# Altium PCB MB_PCB.PcbDoc (part 3 of 4)
Units mm, origin at the board's own origin, x right, y up, seen from the top; angles counter-clockwise.
Board outline 140 x 163 mm, 2 copper layers (Top Layer, Bottom Layer); 363 components, 293 nets, 1486 pads, 1369 vias.
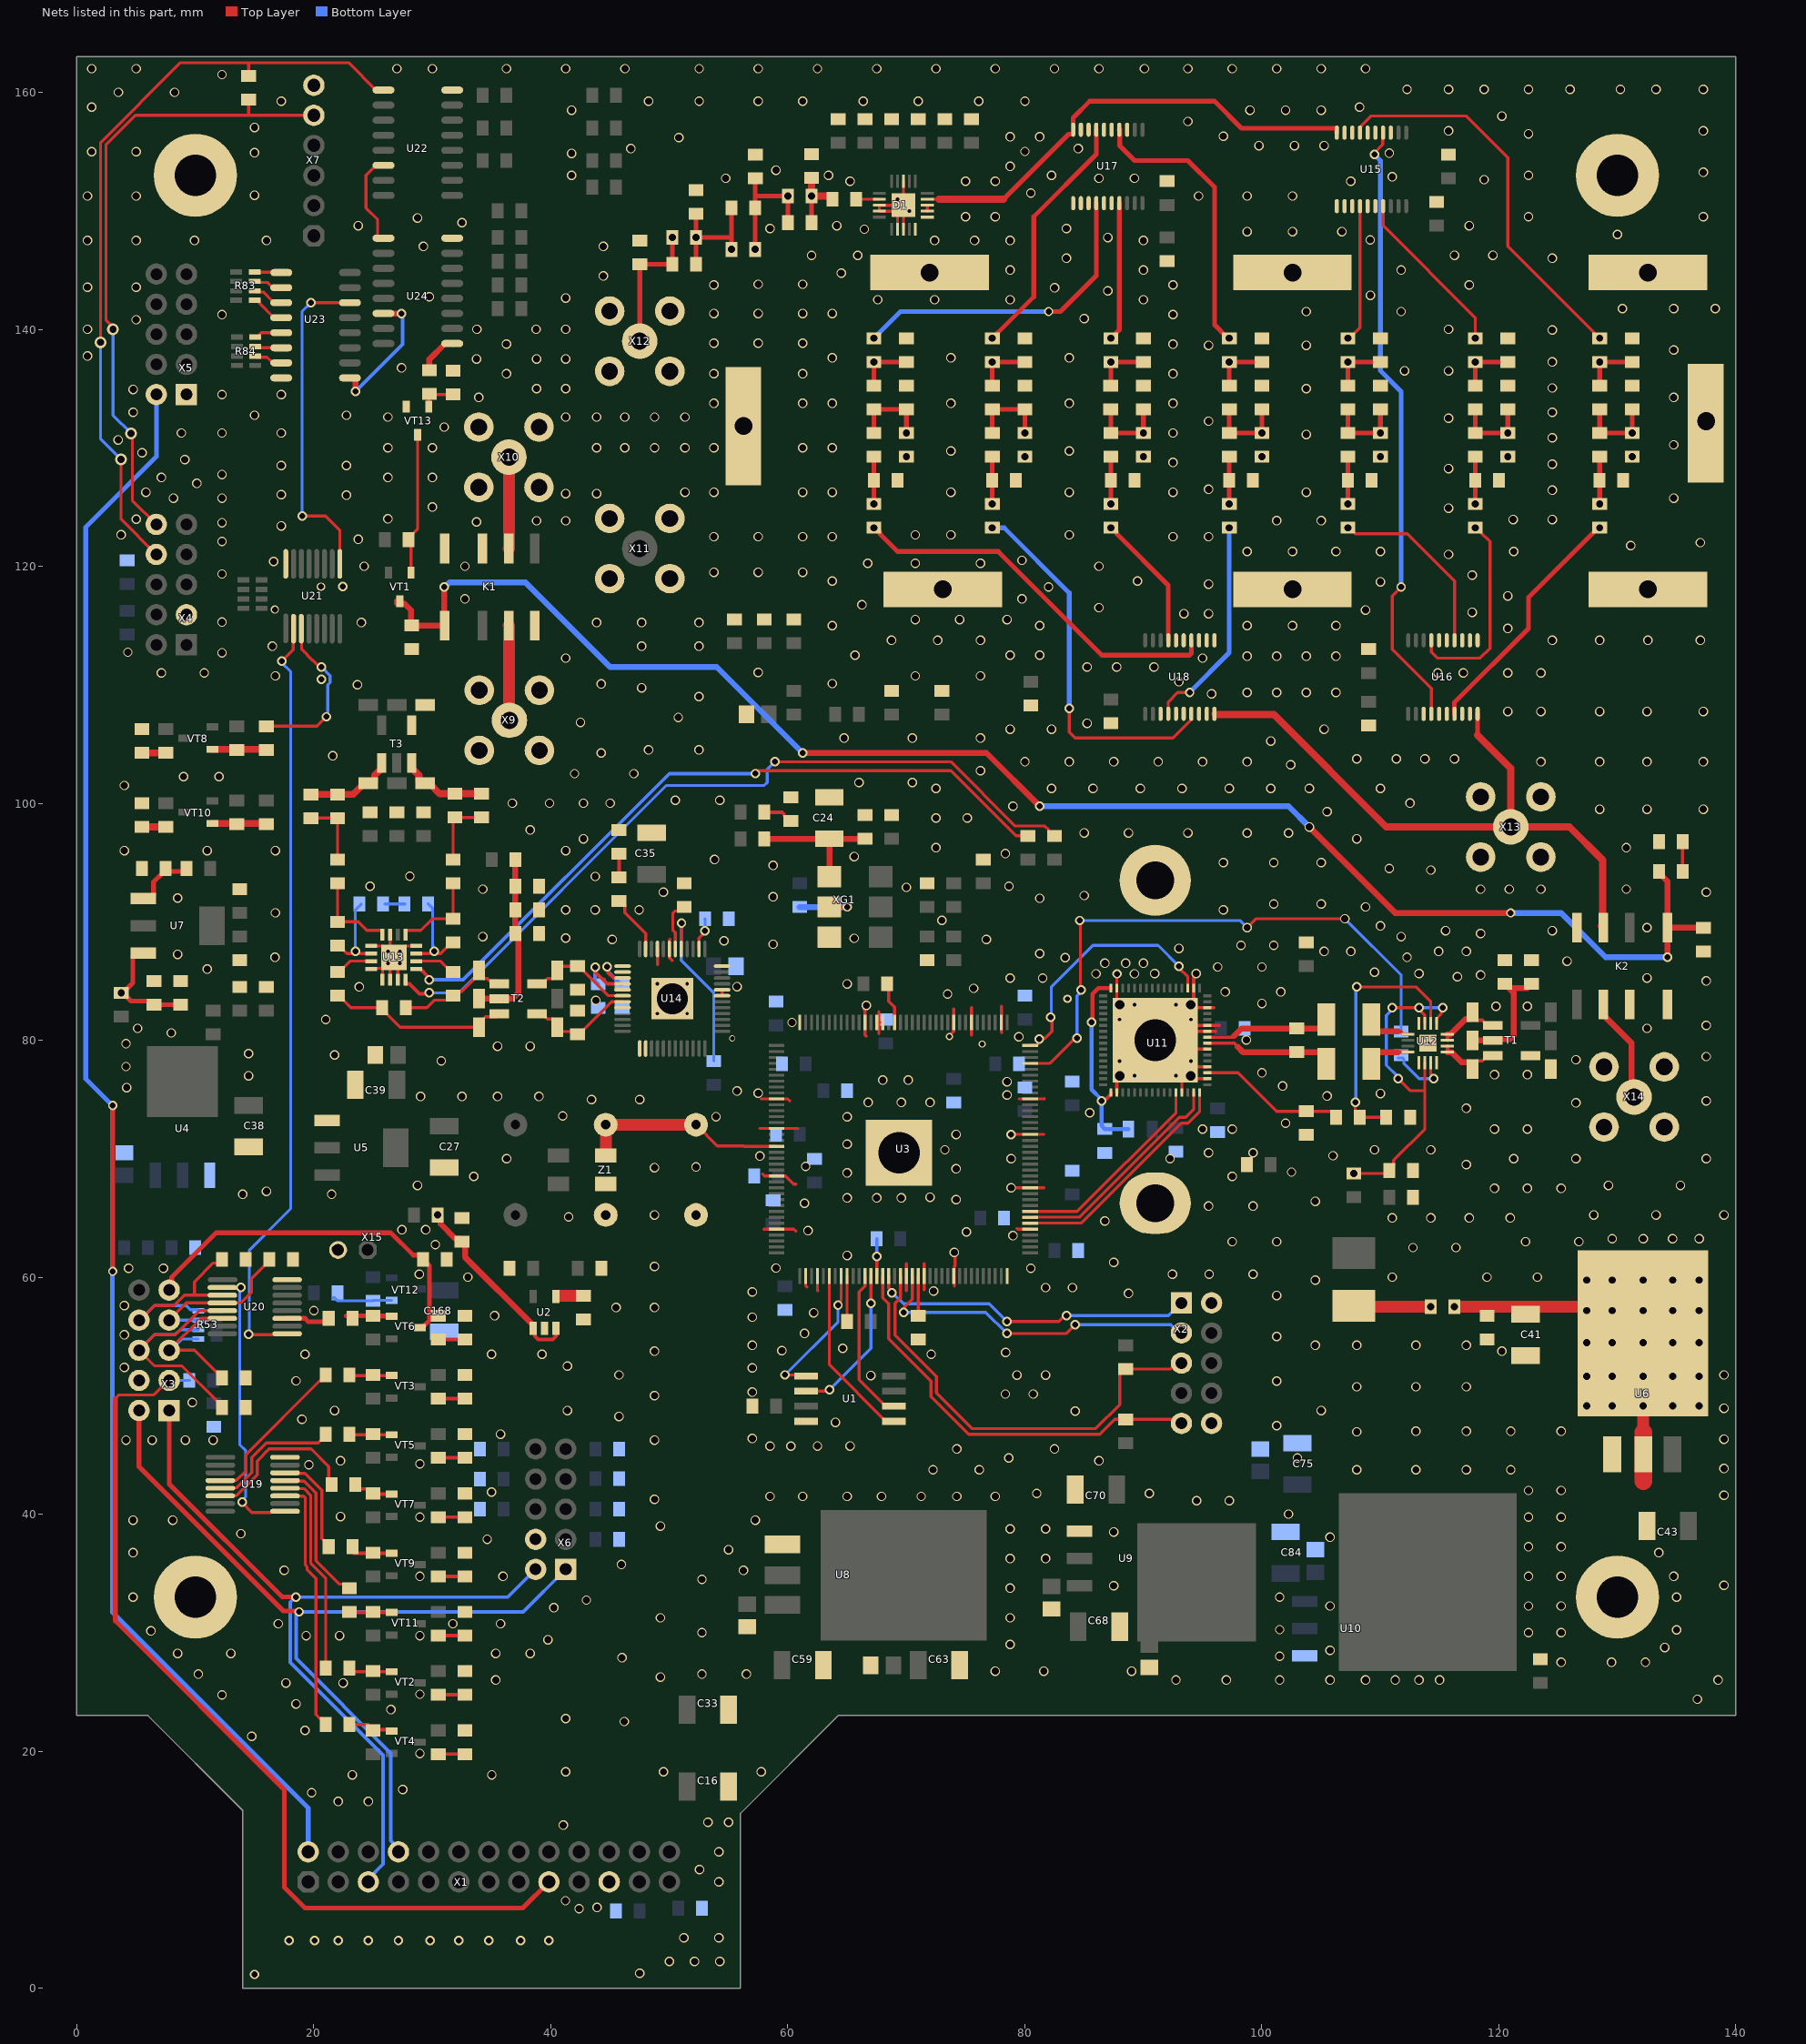
[diagram p3: the nets of this part, all layers, seen from the top]

## Via types
v1: diameter 0.8, hole 0.6, Top Layer to Bottom Layer, tented both sides, 1132 vias
v2: diameter 0.8, hole 0.5, Top Layer to Bottom Layer, tented both sides, 211 vias
v3: diameter 2, hole 1.5, Top Layer to Bottom Layer, tented both sides, 8 vias
v4: diameter 1, hole 0.6, Top Layer to Bottom Layer, tented both sides, 6 vias
v5: diameter 0.7, hole 0.5, Top Layer to Bottom Layer, tented both sides, 2 vias
v6: diameter 1.2, hole 0.8, Top Layer to Bottom Layer, tented both sides, 2 vias
v7: diameter 0.6, hole 0.4, Top Layer to Bottom Layer, tented both sides, 2 vias
v8: diameter 1, hole 0.5, Top Layer to Bottom Layer, tented both sides, 1 vias
v9: diameter 0.7, hole 0.4, Top Layer to Bottom Layer, tented both sides, 1 vias
v10: diameter 0.5, hole 0.4, Top Layer to Bottom Layer, tented both sides, 1 vias
v11: diameter 1.5, hole 1, Top Layer to Bottom Layer, tented both sides, 1 vias
v12: diameter 1.2, hole 0.9, Top Layer to Bottom Layer, tented both sides, 1 vias
v13: diameter 1.8, hole 1.2, Top Layer to Bottom Layer, tented both sides, 1 vias

## Nets (pads, with @x,y where several pads share a name; then routed paths per layer and width w, separated by ;. In a path a pad name is that pad's centre, name@x,y a point inside that pad or via, vN(x,y) a via of type N, cw(c..) or ccw(c..) an arc to the next point about the centre after c; other vN are vias at no path point) (continued)
GND: C1.2 C2.2 C3.2 C4.2 C5.2 C6.2 C9.2 C12.2 C15.2 C16.2 C17.2 C18.2 C19.2 C20.2 C21.2 C22.2 C23.2 C24.2 C25.2 C26.2 C27.2 C28.2 C29.2 C30.2 C31.2 C32.2 C33.2 C34.1 C35.2 C36.1 C37.1 C38.2 C39.2 C40.1 C41.2 C42.2 C43.2 C44.2 C45.2 C46.2 C47.2 C48.2 C49.2 C50.1 C51.2 C52.2 C53.2 C54.2 C55.2 C56.2 C57.2 C58.2 C59.2 C60.2 C61.2 C62.1 C63.2 C64.1 C65.2 C66.2 C67.2 C68.2 C69.1 C70.2 C71.2 C72.2 C73.1 C74.1 C75.2 C76.2 C77.2 C78.2 C79.2 C80.2 C81.2 C82.2 C83.2 C84.2 C85.2 C86.2 C87.2 C88.2 C89.1 C90.1 C91.2 C93.2 C94.1 C95.1 C96.1 C97.1 C98.1 C99.1 C104.2 C106.2 C108.2 C109.1 C110.1 C111.1 C115.1 C116.1 C117.1 C118.2 C119.1 C120.2 C121.2 C122.2 C123.2 C124.2 C125.1 C126.2 C127.1 C128.2 C129.2 C130.2 C133.1 C134.1 C135.1 C138.1 C139.1 C140.1 C143.1 C144.1 C145.1 C148.1 C149.1 C150.1 C155.1 C156.1 C157.1 C158.1 C159.1 C160.1 C163.1 C164.1 C165.1 C166.1 C167.1 C168.2 C169.2 C170.2 C171.2 C173.1 C174.1 D1.3 D1.4 D1.7 D1.8 D1.10 D1.11 D1.12 D1.13 D1.18 D1.21 K1.4 K1.7 K1.8 K2.4 K2.7 K2.8 L9.1 L12.1 L15.1 L18.1 L23.1 L24.1 L27.1 pad.2 pad.3 pad.4 pad.5 pad.6 pad.7 pad.8 R9.2 R11.2 R12.2 R15.1 R18.2 R21.1 R24.1 R31.1 R33.1 R88.2 T1.4 T1.11 T3.4 T3.11 U1.4 U2.2 U3.2 U3.4 U3.19 U3.22 U3.27 U3.36 U3.41 U3.48 U3.57 U3.63 U3.74 U3.79 U3.82 U3.94 U3.95 U3.97 U3.108 U3.118 U3.123 U3.131 U3.140 U3.145 U4.1 U5.1 U6.1 U8.1 U9.1 U10.1 U11.0@88,77 U11.0@88,78.25 U11.0@88,81.75 U11.0@88,83 U11.0@89.25,77 U11.0@89.25,83 U11.0@91,80 U11.0@92.75,77 U11.0@92.75,83 U11.0@94,77 U11.0@94,78.25 U11.0@94,81.75 U11.0@94,83 U11.2 U11.4 U11.7 U11.10 U11.11 U11.14 U11.18 U11.31 U11.50 U11.61 U11.65 U12.4 U12.9 U12.12 U12.17 U13.1 U13.4 U13.5 U13.6 U13.7 U13.12 U13.15 U13.17 U14.1@47.5,79.3 U14.2 U14.19 U14.20 U14.24 U14.31 U14.33 U14.37 U14.38 U14.41 U14.44 U14.49 U15.3 U15.5 U15.6 U15.8 U15.9 U15.11 U15.12 U15.13 U15.15 U15.16 U16.3 U16.5 U16.6 U16.8 U16.9 U16.11 U16.12 U16.13 U16.15 U16.16 U17.3 U17.5 U17.6 U17.8 U17.9 U17.11 U17.12 U17.13 U17.15 U17.16 U18.3 U18.5 U18.6 U18.8 U18.9 U18.11 U18.12 U18.13 U18.15 U18.16 U19.16 U20.16 U21.16 U22.8 U23.8 U24.8 VD1.2 VD2.2 VD3.2 VD4.2 VD5.2 VD6.2 VD7.2 VD8.2 VD9.2 VD10.2 VD11.2 VT13.2 X1.21 X2.2 X2.10 X3.4 X4.3 X5.1 X6.4 X7.6 X9.2 X10.2 X11.2 X12.2 X13.2 X14.2 X15.2 XG1.3 Z1.2 | length 96.4
  Top Layer w0.254: U13.4@24.85,86.025 24.898,86.073 25.702,86.073 26.129,86.5 U13.17@26.25,86.5 ; U13.1@24.85,87.975 24.877,87.948 25.802,87.948 U13.17@26.25,87.5 U13.17@26.425,87.325 ; U13.5@25.775,85.1 25.802,85.127 U13.17@25.802,86.052 ; U13.6@26.425,85.1 26.425,86.675 U13.17@26.75,87 ; U13.15@26.425,88.9 U13.17@26.425,87.325 ; U13.7@27.075,85.1 27.075,86.675 U13.17@26.75,87 ; U13.12@28.65,87.975 28.623,87.948 27.698,87.948 U13.17@27.25,87.5 U13.17@26.75,87 ; 49,86.383 U14.33@49,87.7 ; 50.046,88.522 50.046,88.48 50.009,88.443 50.009,87.709 U14.31@50,87.7 50.009,87.691 50.009,86.967 50.259,86.716 ; U14.19@54.45,83.75 U14.20@54.45,84.25 ; 57.638,72.55 U3.123@59.05,72.55 60.828,72.55 60.836,72.559 ; 57.75,75.05 U3.118@59.05,75.05 59.994,75.05 60.16,74.883 ; 57.853,68.723 58.026,68.55 U3.131@59.05,68.55 59.802,68.55 60.494,67.858 60.667,67.858 ; 57.995,64.05 U3.140@59.05,64.05 60.5,64.05 60.667,63.883 ; U3.2@61.5,60.1 61.5,59.278 61.598,59.18 ; U3.4@62.5,60.1 62.5,58.886 62.509,58.878 ; v1@66.411,82.623 66.516,82.518 66.516,80.45 66.62,80.346 ; U3.95@67.5,81.5 67.675,81.5 ; 67.675,80.543 67.675,81.5 ; 67.675,82.392 67.675,81.5 ; U3.94@68,81.5 67.675,81.5 ; D1.7@69.25,148.45 69.25,149.975 D1.4@67.725,149.975 D1.3@67.725,150.475 D1.21@69.75,150.475 ; D1.8@69.75,148.45 D1.21@69.75,150.475 ; D1.18@69.75,152.5 D1.21@69.75,150.475 ; 70,58.878 U3.19@70,60.1 70,61.15 ; 71.5,58.945 U3.22@71.5,60.1 71.5,61.15 ; D1.12@71.775,149.975 D1.13@71.775,150.475 ; v7(73.64,80.321) 73.64,80.39 74.004,80.754 74.004,82.628 ; 74.046,59.248 74.046,60.896 74.11,60.96 v1@74.11,61.735 ; 75.5,80.431 U3.79@75.5,81.5 75.5,82.745 ; 78.019,82.869 78.019,80.675 78.046,80.648 ; v2(78.84,72.05) U3.57@80.45,72.05 81.619,72.05 ; 79.34,64.109 79.399,64.05 U3.41@80.45,64.05 ; 79.34,67.55 U3.48@80.45,67.55 81.619,67.55 ; 79.5,75.05 U3.63@80.45,75.05 81.622,75.05 81.631,75.059 ; v2(87.762,85.606) 87.752,85.596 87.752,84.402 U11.31@87.75,84.4 87.752,84.398 87.752,83.45 88,83.202 U11.0@88,83 ; U11.65@91,80 91.028,80.028 93.885,80.028 94.607,80.75 94.609,80.748 96.112,80.748 ; U11.65@91.748,80.748 93.032,80.748 93.534,81.25 U11.11@95.4,81.25 96.426,81.25 ; U11.61@93.25,75.6 93.25,76.379 ; U11.0@94,77 94.095,76.905 94.259,76.905 94.414,76.75 U11.2@95.4,76.75 ; U11.0@94,78.25 94.121,78.25 94.619,77.752 95.398,77.752 U11.4@95.4,77.75 ; U11.0@94,83 94.202,83 94.452,82.75 U11.14@95.4,82.75 95.95,82.75 ; U11.65@94.25,79.252 95.398,79.252 U11.7@95.4,79.25 ; U13.17@26.425,87.325 U13.17@26.75,87
  Top Layer w0.3: U11.50@87.75,75.6 87.75,76.561 88,76.811 U11.0@88,77 ; U11.65@91,80 U11.0@94,77 94.189,77 U11.65@94.414,76.775 ; U11.0@94,83 94,83.189 94.25,83.439 U11.18@94.25,84.4 v1@94.25,85.421
  other v1: 47.5,1.25 50,2.25 52.123,2.25 54.25,2.25 51.222,4.25 54.173,4.25 42.38,6.7 43.895,6.804 41.231,7.374 54.173,8.96 52.55,10 54.173,11.5 41.05,13.75 53.25,14 55,14 22.06,15.75 24.6,15.75 19.808,16.486 27.5,16.763 23.25,18 35.012,18 41.25,18.25 49.5,18.25 57.75,18.25 28.95,19.8 14.75,21.25 19.25,21.75 46.195,22.5 41.25,22.75 26.5,23.5 18.5,23.99 136.75,24.381 12.25,24.75 28.95,24.8 17.643,25.75 22.471,25.75 35.35,26 92.75,26 97,26 101.5,26 105.75,26 108.75,26 111.25,26 113.25,26 115,26 138.5,26 49.25,26.25 10.25,26.5 52.75,26.5 56.5,26.5 77.5,26.75 81.6,26.75 89,26.75 125.25,27.5 129.5,27.5 132.363,27.5 45.995,27.882 101.5,28 8.5,28.25 13,28.25 35.35,28.25 38.25,28.25 105.75,28.5 134,28.75 78.75,29 39.75,29.398 19.35,29.75 22.172,29.75 28.95,29.75 52.75,30 122.5,30 125.25,30 6.25,30.143 135,30.233 101.5,30.25 17,30.75 31.725,30.75 35.75,30.75 49.25,31.25 78.75,31.25 40.25,32.107 105.75,32.25 122.5,32.25 125.25,32.25 43,32.75 4.75,33 101.5,33 135,33 78.75,33.75 87.5,33.95 139,34 52.75,34.5 28.95,34.75 35.964,34.75 122.5,34.75 125.25,34.75 134.75,34.75 17.5,35.264 56.25,35.25 45.95,35.75 78.75,36.25 81.75,36.25 4.75,36.75 133.5,36.75 55,37 122.5,37.25 125.25,37.25 34.627,37.88 105.75,38.05 13.843,38.352 87.5,38.5 78.75,38.75 81.75,38.75 49.25,39 4.75,39.5 8.099,39.5 57.25,39.5 28.95,39.75 122.5,39.75 125.25,39.75 22.25,39.8 102.25,40 94.5,41.139 97.25,41.139 48.75,41.245 58.5,41.5 61.25,41.5 65,41.5 67.901,41.5 71.25,41.5 74.25,41.5 77.5,41.5 139,41.6 81,41.75 90.5,41.75 35,41.86 122.5,42 125.25,42 72.25,43.75 76.16,43.75 108,43.75 113,43.75 117.25,43.75 121,43.75 139,43.845 19.58,44.17 28.95,44.246 22.25,44.5 86.25,44.5 78.64,44.75 103,44.75 74.25,45.5 82.5,45.5 58.5,45.736 60.25,45.736 62.5,45.75 65.25,45.75 4.15,46.25 6.35,46.25 9.165,46.25 11.5,46.25 48.75,46.252 139,46.325 57,46.381 35.75,46.75 108,46.95 113,47 117.25,47 121,47 125.25,47 101.25,47.47 64.009,47.75 19,48 45.75,48.25 84.25,48.7 21.75,48.75 41.395,48.75 105,48.75 139,48.94 9.75,49.425 48.75,50 78.352,50.14 80.7,50.14 57,50.299 108,50.75 113,50.75 117.25,50.75 101.25,51.235 18.5,51.25 67,51.705 45.75,51.75 79.327,51.744 81.75,51.744 139,51.75 57,52.35 4,52.39 41.395,52.5 19.25,53.5 35,53.5 39.25,53.5 72.095,53.497 78.381,53.645 48.75,53.75 120.25,53.75 59.5,53.803 64.635,54 57,54.25 104.5,54.25 108,54.25 113,54.25 117.25,54.25 101.25,55 4,55.136 61.409,55.25 57,56.623 35.25,56.75 62.183,57 20,57.175 45.5,57.436 48.75,57.436 4,57.597 101.25,58.461 88.75,58.63 57,58.75 72.295,58.837 81.75,59.118 84.011,59.118 104.5,59.75 33,60 111,60 119,60 123.25,60 28.9,60.25 92.446,60.25 95.55,60.25 99.25,60.25 4.37,60.75 7.3,60.75 80.5,60.75 59,60.77 48.75,60.912 87.5,61.25 65,61.84 74.046,62.091 21.8,62.375 112.75,62.5 116.369,62.5 30.25,62.75 97.5,63 101.25,63 122.25,63 126.75,63 129.56,63.25 132.175,63.25 134.655,63.25 136.9,63.25 79,63.5 75.063,63.828 61.699,63.923 27.437,64 29.438,64 86.75,64.75 111,65 114.25,65 117.5,65 120.951,65 41.5,65.092 48.75,65.25 128,65.25 133.25,65.25 139,65.25 95.5,66 99.25,66 61.4,66.236 104.5,66.41 74.2,66.55 65,66.694 67.5,66.694 69.573,66.694 72,66.75 14,67 21.5,67 16,67.25 119.63,67.5 122.404,67.5 125.25,67.5 78.84,67.55 28.75,67.75 129.25,67.75 135.322,67.75 33.5,68.5 97.5,68.5 65,68.8 102.5,68.869 74.2,69.144 48.75,69.25 52.25,69.302 61.498,69.357 117.25,69.5 36.273,70 78.84,70 92.25,70 121.25,70 126.5,69.996 137.5,70 57.638,70.223 106,70.25 95.5,70.5 99.25,70.5 73.248,70.75 109.5,70.75 114.25,70.75 65,71.225 74.2,72.05 95,72.5 97.5,72.5 119.63,72.5 122.404,72.5 102,73 65,73.531 53.937,73.55 41,73.607 85.475,73.883 117.25,74.25 126.5,74.71 66.775,74.75 69.573,74.75 72,74.75 137.5,74.877 43.43,75 47.5,75 29,75.25 32.5,75.25 35.5,75.25 39,75.25 105.5,75.287 78.5,75.377 110,75.5 57.502,75.527 55.715,75.71 4.2,76 101.75,76.131 78.5,76.5 68,76.631 70.159,76.631 14.5,77 119.63,77.09 122.404,77.09 100,77.25 4.152,77.775 30.75,78.25 126.5,78.352 137.5,78.622 21.75,78.75 14.5,78.875 35.5,79.5 38.25,79.5 4.152,79.7 98.69,80.028 79.5,80.291 7.975,80.619 5.133,81 132.5,81 137.5,81.25 60.35,81.5 21,81.75 119.75,82.869 122.4,82.869 66.63,82.941 100,83.107 43.8,83.362 73.479,83.904 96.901,84.083 101.602,84.083 75.676,84.377 23.833,84.5 55.715,84.523 65,84.757 137.5,85 78.75,85.236 81.5,85.236 132.5,85.25 116.5,85.362 118.46,85.5 86,85.606 89.25,85.606 90.949,85.621 94.45,85.621 113.25,85.628 109.5,85.736 11,86 96.274,86.184 100,86.184 86.75,86.5 88.5,86.5 90,86.5 125.75,86.676 83.395,86.977 16.718,87 112.25,87 8.5,87.25 81.25,87.31 105.25,87.5 107.509,87.5 114.91,87.5 117.25,87.5 93,87.75 98.239,88 101,88 58.75,88.1 54.611,88.387 45.175,88.5 76.75,88.5 65.6,88.602 41.25,88.619 34.25,88.75 111.75,88.75 118.46,89 115.5,89.25 124.5,89.25 132.5,89.5 110,89.65 73,90.119 16.75,90.75 41.25,91 43.731,91 47.453,91 96.75,91 108.75,91.25 101,91.5 105,91.5 81.25,91.977 8.5,92 58.75,92.1 85,92.213 49.491,92.5 137.5,92.5 34.25,92.75 118.46,92.75 120.881,92.75 123.54,92.75 130.75,92.75 70,92.9 24.75,93 78.66,93 43.75,93.824 28.1,93.842 114.25,94.358 110.75,94.5 58.75,94.75 96.75,95 101,95 105,95 53.812,95.25 65.6,95.5 78.349,95.75 4,96 11,96 16.75,96 41.25,96 72.5,96.25 130.75,96.25 42.75,97 108,97 98.75,97.491 102.25,97.491 85,97.5 88.75,97.5 93.75,97.5 38.25,97.75 72.5,98.75 75.133,98.75 105.5,99.291 128.5,99.5 132.5,99.5 137.25,99.5 79,99.75 36.75,100 39.885,100 42.75,100 45,100 112.5,100.008 50.5,100.25 54.25,100.25 72.5,101.25 82.25,101.25 85.75,101.25 89.75,101.25 93.25,101.25 97.25,101.25 100.75,101.25 104,101.25 110,101.25 4,101.5 66,101.75 70.5,101.75 9,102.25 12,102.25 42,102.5 47,102.5 76.25,102.75 102.426,103.25 80,103.5 83.75,103.5 87.5,103.5 91.25,103.5 95,103.5 98.75,103.5 123.54,103.5 128.5,103.5 132.5,103.5 137.25,103.5 108,103.75 111.35,103.75 113.75,103.75 116.25,103.75 21.59,104 44.25,104.25 48.25,104.5 52.5,104.5 100.75,105.25 64.75,105.5 70.5,105.5 76.25,105.5 78.75,106.25 82.25,106.25 105.25,106.25 85.25,106.75 42.5,106.833 50.75,107.25 120.75,107.75 123.54,107.75 128.5,107.75 132.5,107.75 137.25,107.75 52.5,109 95.75,109.231 98.75,109.35 101.25,109.35 103.75,109.35 106.25,109.35 47.667,109.75 23.681,110 44.25,110.072 63.75,110.1 93,110.25 16.75,110.75 70.75,110.75 76.25,110.75 7.135,111 10.75,111 114.84,111 117,111 120.75,111 123.54,111 57.5,111.041 85.25,111.5 87.75,111.5 90.897,111.5 41.25,112.25 95,112.25 98.75,112.41 101.25,112.41 103.75,112.41 106.25,112.41 65.66,112.5 78.75,112.5 81.25,112.5 12.25,112.705 4.299,112.75 16.5,113.25 47.667,113.25 52.5,113.25 68.75,113.75 72.643,113.75 76.25,113.75 124.5,113.75 128.5,113.75 132.578,113.75 137,113.75 120.75,114.75 63.75,115 81.25,115 98.75,115 102.578,115 106.25,115 24,115.25 43.858,115.25 47.667,115.25 52.5,115.25 12.25,115.289 70.75,115.5 74.5,115.5 78.5,115.5 93.417,116 95.5,116 117.75,116.119 108.75,116.313 86.25,116.511 66.25,116.75 32.75,117.25 79.75,117.25 120.75,117.5 82,118.25 95.5,118.5 110,118.691 63.75,118.75 89.5,118.75 117.75,119.25 12.25,119.351 53.75,119.5 57.5,119.5 61.25,119.5 24.25,120 32.75,120 86.25,120 66.741,120.25 70.75,120.25 76.25,120.25 16.605,120.4 79.75,120.5 115.75,121 98.75,121.25 102.578,121.25 106.25,121.25 110,121.25 121.25,121.25 131.127,121.75 137,122 12.25,122.1 23.75,122.273 53.75,122.5 57.5,122.5 61.25,122.5 63.75,122.5 92.5,122.5 95.5,122.5 3.731,122.66 70.75,122.65 73.75,122.65 83.75,122.65 17.247,123.409 12.25,123.685 33.72,123.75 38.8,123.84 41.25,123.84 101.25,123.85 105,123.85 121.197,123.95 124.5,123.95 5.019,123.979 26.25,124 115.75,124.91 30,125 8.15,125.75 12.25,125.75 134.75,125.75 22.75,126 17.247,126.05 41.25,126.138 43.858,126.138 5.83,126.25 51.323,126.25 53.75,126.25 61.25,126.25 63.75,126.25 73.75,126.25 83.75,126.25 92.5,126.25 103.75,126.25 124.5,126.425 95.5,126.5 10.13,127 7.135,127.5 26.25,127.5 30,127.5 12.25,127.75 115.75,128.25 17.25,128.5 22.75,128.5 124.5,128.623 92.5,128.762 9.105,129 70,129.25 80,129.25 90,129.25 100,129.25 110,129.25 120.75,129.25 131.25,129.25 5.5,129.579 73.75,129.738 83.75,129.738 26.25,130 30,130 43.858,130 46.243,130 48.757,130 51.323,130 53.75,130 61.25,130 63.75,130 134.75,130.25 3.485,130.664 124.5,130.842 103.75,131.131 8.825,131.25 12.25,131.25 17.25,131.25 92.5,131.25 31,131.75 95.5,132.25 115.75,132.5 26.25,132.595 41.25,132.595 43.858,132.595 46.243,132.595 48.757,132.595 51.323,132.595 14.991,132.75 22.75,132.75 4.756,133 124.5,133 53.75,133.75 61.25,133.75 63.75,133.75 73.75,133.75 83.75,133.75 92.5,133.75 33.92,134.25 134.75,134.25 12.25,134.5 17.25,134.5 4.756,134.925 38.8,135 41.25,135 103.75,135 124.5,135.05 36.25,136.25 61.25,136.25 92.5,136.25 53.75,136.26 112.038,136.5 115.75,136.5 27.4,136.75 124.5,137.25 33.72,137.5 38.8,137.5 41.25,137.5 63.75,137.59 73.75,137.59 83.75,137.59 0.894,137.75 134.75,138.25 95.5,138.65 103.75,138.65 92.5,138.741 36.25,138.75 53.75,138.833 57.502,138.833 61.25,138.833 124.5,139.95 0.894,140.005 33.75,140 38.75,140 41.25,140 115.75,140 5,140.807 85,140.9 12.25,141.24 92.5,141.25 53.75,141.34 57.502,141.34 61.25,141.34 63.75,141.34 103.75,141.5 111.75,141.5 130.425,141.75 134.75,141.75 138.25,141.75 67.59,142.5 72.386,142.5 78.75,142.5 90,142.5 41.25,142.642 29.75,142.75 109.163,142.877 87,143.25 82.509,143.5 0.894,143.56 5,143.56 53.75,143.75 92.5,143.75 117.5,143.75 57.502,143.801 61.25,143.801 44.428,144.5 64.5,144.75 78.75,145 90,145 111.75,145 83.5,146 124.5,146 62,146.241 65.9,146.241 116.25,146.25 119.5,146.25 29.25,147 44.428,147 0.894,147.5 5,147.5 9.925,147.5 16,147.5 72.386,147.5 75.75,147.5 78.75,147.5 90,147.5 109.137,147.549 87,147.75 130,148 98.75,148.25 102.578,148.25 106.75,148.25 66.45,148.45 58.5,148.5 83.5,148.5 23.75,148.75 64.131,148.75 117.5,148.75 32.5,149 28.75,149.4 74.991,149.5 77.5,149.5 122.5,149.5 137.25,149.5 0.894,151.25 5,151.25 94.658,151.25 98.75,151.25 102.578,151.25 15,151.32 80.5,151.5 65.25,152.5 74.991,152.5 77.5,152.5 107.5,152.5 118.75,152.631 54.75,152.75 86.25,152.75 89.25,152.75 111,152.869 41.75,153 63.425,153 82.25,153 122.5,153 137.25,153.25 59,153.433 78.75,153.75 41.75,154.85 110.75,154.869 15,154.901 1.25,155 5,155 80,155.011 46.75,155.25 84.5,155.25 99.75,155.5 102.75,155.5 105.25,155.5 50.796,156.177 78.75,156.25 81.25,156.25 96.75,156.296 122.5,156.5 115.75,156.75 137.25,156.75 15,157.035 93.75,157.546 120.25,158 41.75,158.5 99,158.5 102,158.5 105,158.5 1.25,158.75 108.25,158.75 17.25,159.25 48.25,159.25 52.514,159.25 57.5,159.25 61.25,159.25 66.352,159.25 71,159.25 76.1,159.25 80,159.25 3.5,160 8.25,160 112.25,160.25 115.75,160.25 118.75,160.25 122.5,160.25 126,160.25 130.25,160.25 133.25,160.25 137.25,160.25 12.25,161.5 1.25,162 5,162 27.01,162 30,162 36.25,162 41.25,162 46.25,162 52.514,162 57.5,162 62.5,162 67.5,162 72.5,162 77.5,162 82.5,162 86.25,162 90.093,162 93.75,162 97.5,162 101.25,162 105,162 108.75,162
  other v2: 15,1.155 17.908,4 20.07,4 22.06,4 24.6,4 27.14,4 29.825,4 32.22,4 34.76,4 37.445,4 39.84,4 20.648,110.477 22.426,118.29
  other v3: 73.078,118.048 102.578,118.048 132.578,118.048 56.25,131.828 137.5,132.25 71.951,144.798 102.578,144.798 132.578,144.798
  other v5: 16.712,116.345 20.594,118.29
  other v7: 76.385,79.678
  other v9: 83.59,83.5
  other v10: 55.311,80.156
HF_BPF: K2.3 U16.10 U18.10 X13.1 | length 54.5
  Top Layer w0.4: 118.2,105.75 U16.10@118.2,107.55
  Top Layer w0.6: U18.10@96.025,107.55 96.075,107.5 101,107.5 110.5,98 X13.1@121,98 ; 118.2,105.75 121,102.95 X13.1@121,98 ; K2.3@128.65,89.65 K2.3@128.75,89.55 ; K2.3@128.75,89.5 K2.3@128.75,89.55 ; K2.3@128.8,89.5 K2.3@128.75,89.55 ; X13.1@121,98 125.96,98 128.75,95.21 K2.3@128.75,89.55
HF_TX: R65.2 U20.11 | length 3.9
  Top Layer w0.4: U20.11@17.745,56.525 19.25,56.525 19.525,56.25 20.975,56.25 R65.2@21.384,56.659
HFAMP_B0: C1.1 R53.1 U20.3 X3.8 | length 18.1
  Top Layer w0.254: X3.8@5.25,56.37 5.321,56.37 6.548,57.597 8.212,57.597 9.09,58.475 9.92,58.475 ; C1.1@12.25,61.5 11.948,61.198 11.518,61.198 9.92,59.6 9.92,58.475 ; U20.3@12.55,58.475 9.92,58.475
  Bottom Layer w0.254: X3.8@5.25,56.37 5.321,56.37 6.548,57.597 9.218,57.597 9.567,57.248 10.177,57.248 R53.1@10.25,57.175
HFAMP_B1: C3.1 R53.2 U20.4 X3.7 | length 14
  Top Layer w0.254: X3.7@7.79,56.37 9.245,57.825 13.366,57.825 13.397,57.857 13.865,57.857 14.728,58.72 14.728,59.853 16.002,61.127 16.127,61.127 C3.1@16.5,61.5
  Bottom Layer w0.254: X3.7@7.79,56.37 7.792,56.372 10.247,56.372 R53.2@10.25,56.375
HFAMP_B2: C4.1 R53.3 U20.5 X3.6 | length 23.5
  Top Layer w0.254: C4.1@12.25,49 12.25,49.125 11.877,49.498 8.858,52.517 6.563,52.517 X3.6@5.25,53.83 6.563,55.143 8.298,55.143 10.33,57.175 U20.5@12.55,57.175
  Bottom Layer w0.254: X3.6@5.253,53.83 6.559,55.136 8.291,55.136 8.73,55.575 R53.3@10.25,55.575
HFAMP_B3: C5.1 R53.4 U20.6 X3.5 | length 14.2
  Top Layer w0.254: C5.1@12.25,51.5 12.25,51.625 11.877,51.998 11.752,51.998 9.92,53.83 X3.5@7.79,53.83 10.485,56.525 U20.6@12.55,56.525
  Bottom Layer w0.254: X3.5@7.79,53.83 7.92,53.83 8.865,54.775 R53.4@10.25,54.775
HFAMP_TX: C6.1 R62.2 VT6.3 X3.9 | length 32.2
  Top Layer w0.4: X3.9@7.79,58.91 8.011,59.131 8.011,60.011 11.75,63.75 26.5,63.75 28.388,61.862 28.9,61.862 29.038,61.724 C6.1@29.038,61.212 ; VT6.3@28.95,55.75 VT6.3@29.05,55.85 ; VT6.3@29.15,55.75 29.85,56.45 30.2,56.45 R62.2@30.5,56.75 ; C6.1@29.2,61.5 29.75,60.95 29.75,56.55
IN_ALC: X1.2 X5.2 | length 133.3
  Top Layer w0.4: v2(3.035,60.5) 3.018,60.518 3.018,74.483 v2(3.035,74.5)
  Bottom Layer w0.4: v2(3.035,60.5) 3,60.465 3,31.727 19.52,15.207 X1.2@19.52,11.5 ; v2(3.035,74.5) 3,74.5 0.75,76.75 0.75,123.315 6.71,129.275 X5.2@6.71,134.5
JTAG_1: U3.16 X2.1 | length 27.6
  Top Layer w0.254: U3.16@68.5,60.1 68.5,59.11 68.773,58.837 v2(68.773,58.689) ; v2(78.5,56.25) 82.852,56.25 83.352,56.75 v2(83.5,56.75)
  Bottom Layer w0.254: v2(68.773,58.689) 68.83,58.689 69.769,57.75 77,57.75 v2(78.5,56.25) ; v2(83.5,56.75) 92.13,56.75 X2.1@93.21,57.83
JTAG_3: U3.20 X2.3 | length 28.3
  Top Layer w0.254: v2@69.775,57.023 69.775,57.421 70.5,58.145 U3.20@70.5,60.1 ; v2(78.5,55.25) 83.5,55.25 v2(84.25,56) ; X2.3@93.029,55.29 X2.3@93.21,55.29
  Bottom Layer w0.254: v2(69.775,57.023) 76.699,57.023 78.472,55.25 v2(78.5,55.25) ; v2(84.25,56) 92.319,56 93.029,55.29 X2.3@93.21,55.29
JTAG_5: R2.1 U3.18 X2.5 | length 37.5
  Top Layer w0.254: U3.18@69.5,60.1 69.5,58.25 69.048,57.798 69.048,55.115 72.531,51.632 72.531,50.219 75.523,47.227 85.977,47.227 88.002,49.252 88.002,52.127 88.375,52.5 R2.1@88.5,52.5 ; R2.1@88.5,52.25 92.292,52.25 92.792,52.75 X2.5@93.21,52.75
JTAG_9: R1.1 U3.15 X2.9 | length 35